# Allegro board Learn.brd (continued)
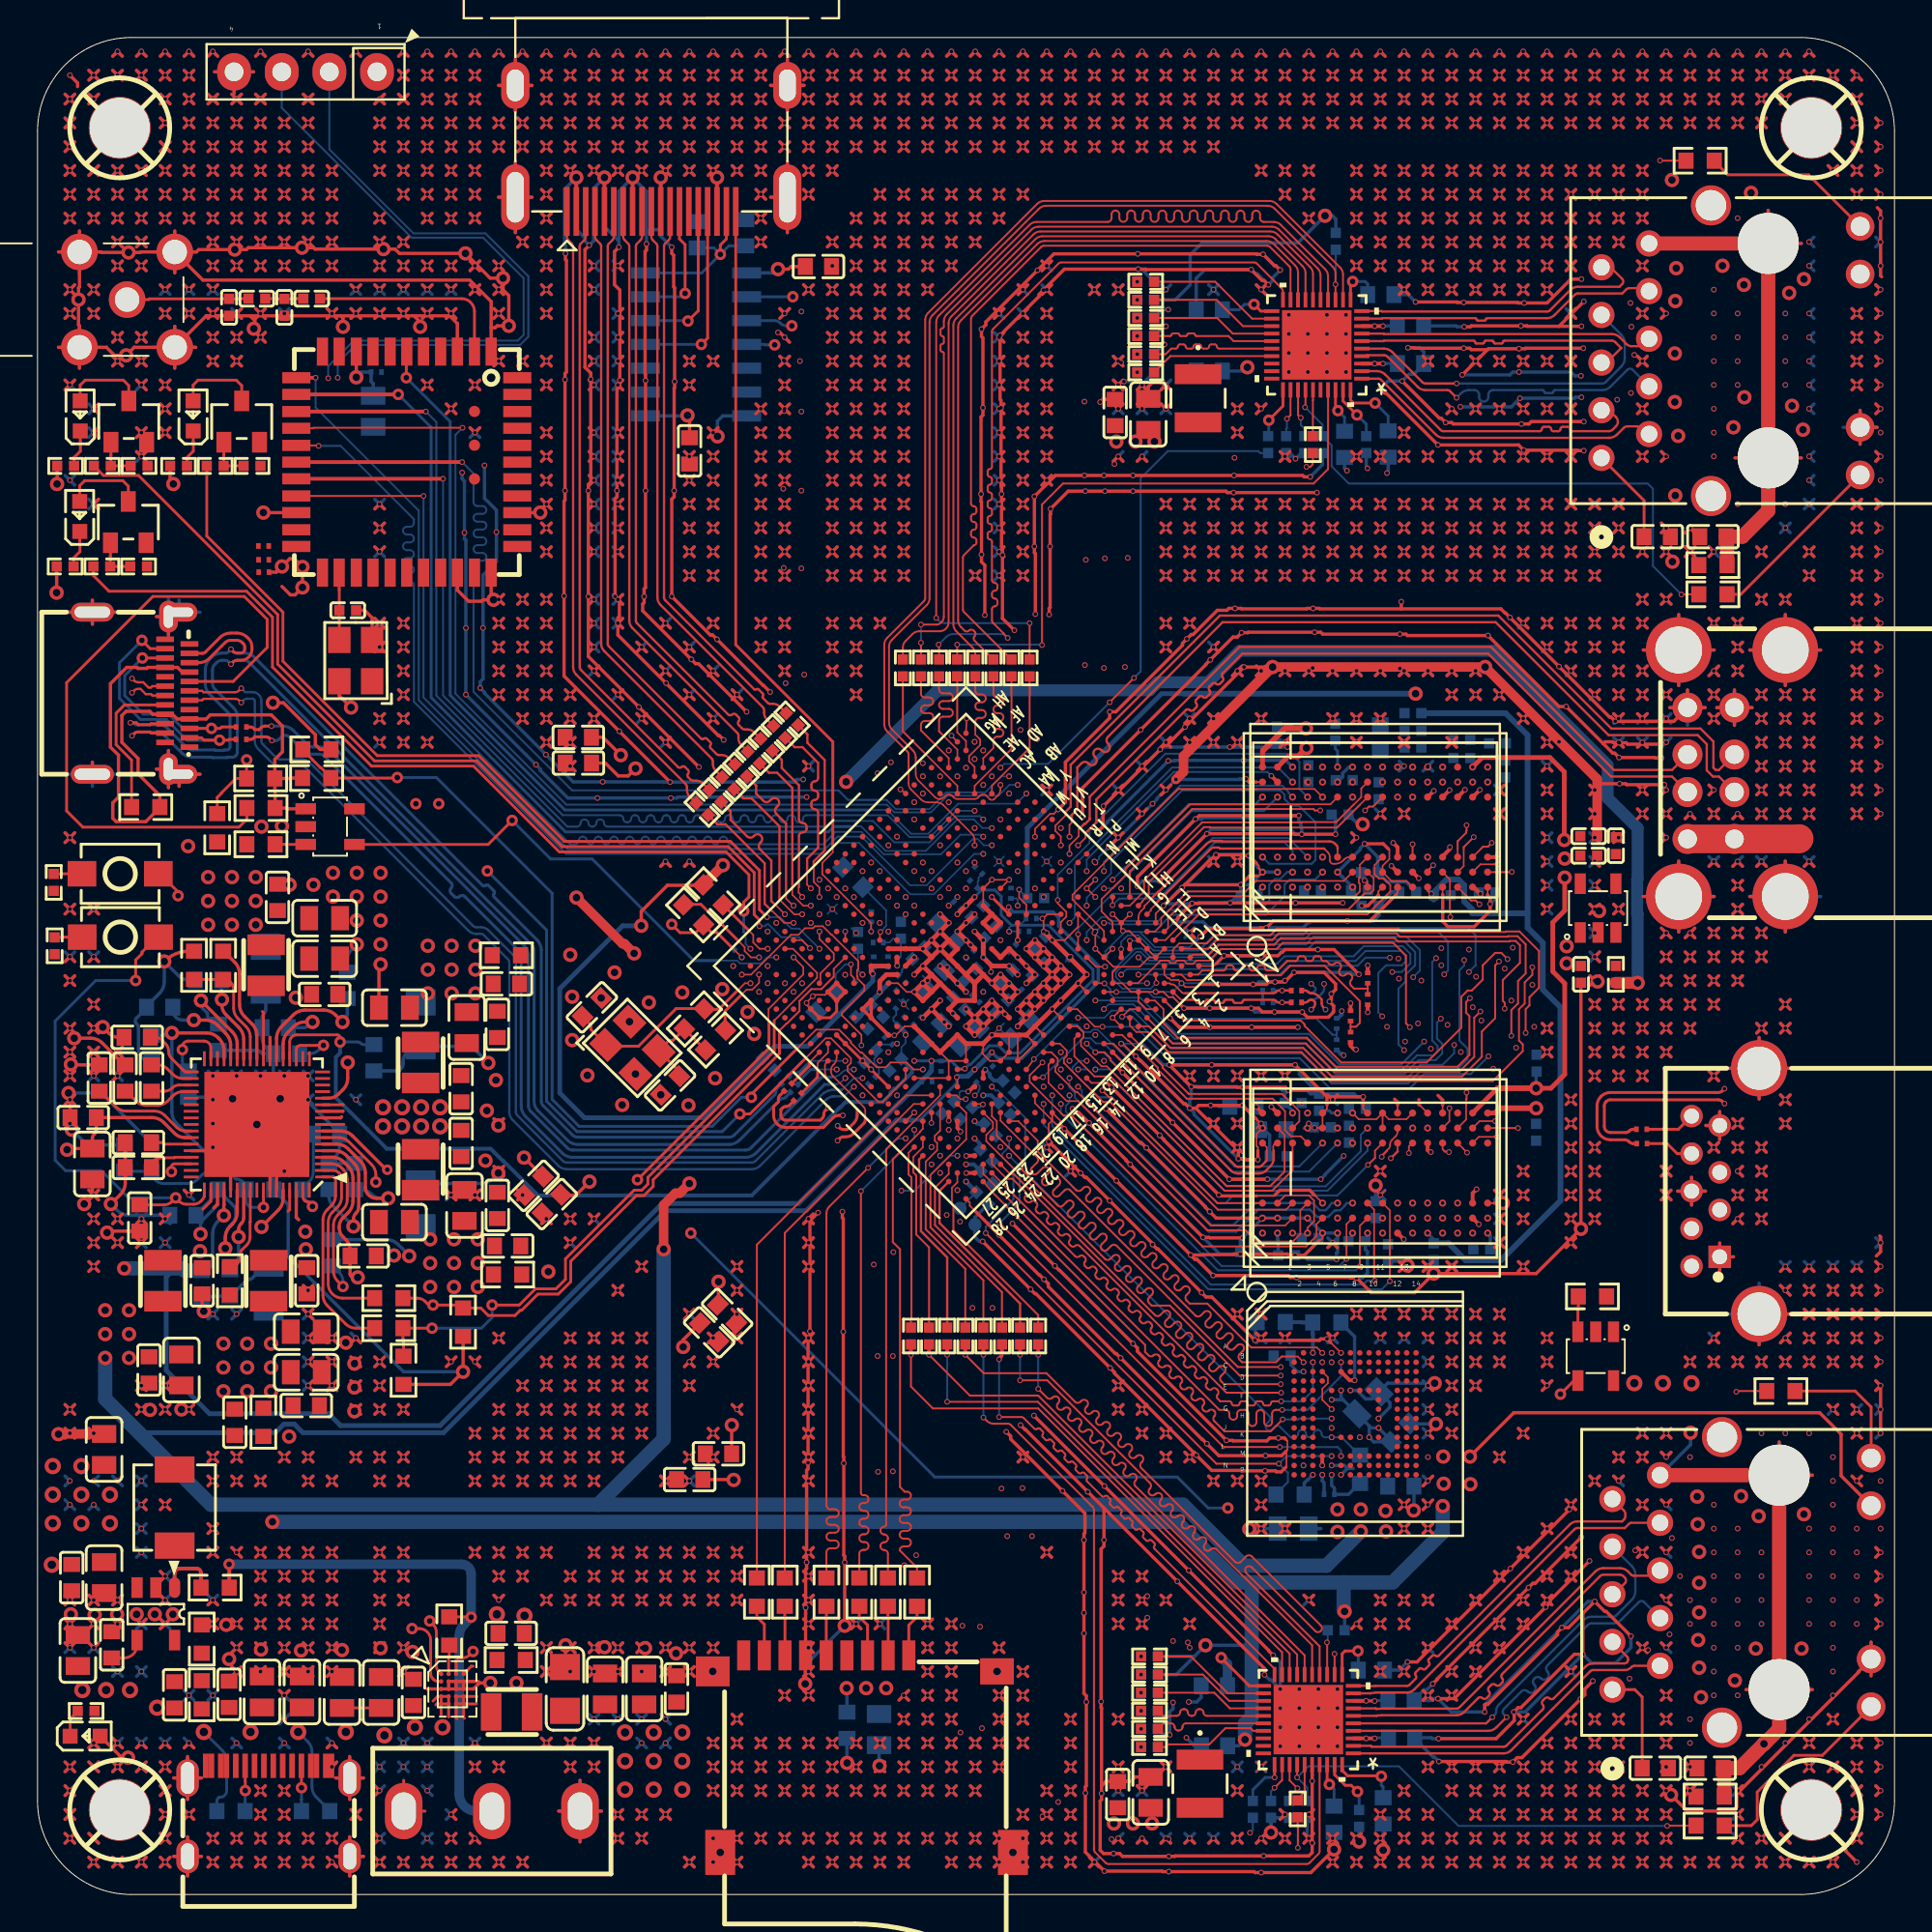
[diagram p0: board, top side]
## Routing (per net, layer and track width the routed paths; a pad name or vN(x,y) marks a point on that pad's centre or on a via; arc(x,y) is an arc through that point) (continued)
v1(43.63,14.42) ; v1(43.63,14.42) 43.89,14.17 ; v1(43.63,14.42) 43.89,14.68 ; v1(43.63,14.42) 43.38,14.68 ; v1(85.54,58.87) 85.8,58.62 ; v1(85.54,58.87) 85.8,59.13 ; v1(85.54,58.87) 85.29,59.13 ; v1(85.54,58.87) 85.29,58.62 ; v1(4.26,88.08) 4.52,87.83 ; v1(4.26,88.08) 4.01,88.34 ; v1(4.26,88.08) 4.01,87.83 ; v1(4.26,88.08) 4.52,88.34 ; 86.56,5.79 v1(86.81,5.53) ; v1(86.81,5.53) 86.56,5.28 ; v1(86.81,5.53) 87.07,5.28 ; v1(86.81,5.53) 87.07,5.79 ; 73.86,64.97 v1(74.11,65.22) ; v1(74.11,65.22) 74.37,64.97 ; v1(74.11,65.22) 73.86,65.48 ; v1(74.11,65.22) 74.37,65.48 ; 24.33,94.69 v1(24.58,94.43) ; v1(24.58,94.43) 24.84,94.69 ; v1(24.58,94.43) 24.84,94.18 ; v1(24.58,94.43) 24.33,94.18 ; 25.6,27.38 v1(25.85,27.12) ; v1(25.85,27.12) 26.11,26.87 ; v1(25.85,27.12) 25.6,26.87 ; v1(25.85,27.12) 26.11,27.38 ; v1(63.95,22.04) 64.21,21.79 ; v1(63.95,22.04) 63.7,22.3 ; v1(63.95,22.04) 63.7,21.79 ; v1(63.95,22.04) 64.21,22.3 ; 85.29,21.03 v1(85.54,20.77) ; v1(85.54,20.77) 85.8,21.03 ; v1(85.54,20.77) 85.29,20.52 ; v1(85.54,20.77) 85.8,20.52 ; 97.99,26.87 v1(98.24,27.12) ; v1(98.24,27.12) 98.5,27.38 ; v1(98.24,27.12) 97.99,27.38 ; v1(98.24,27.12) 98.5,26.87 ; 75.13,29.41 v1(75.38,29.66) ; v1(75.38,29.66) 75.13,29.92 ; v1(75.38,29.66) 75.64,29.92 ; v1(75.38,29.66) 75.64,29.41 ; v1(44.9,88.08) 45.16,87.83 ; v1(44.9,88.08) 44.65,87.83 ; v1(44.9,88.08) 45.16,88.34 ; v1(44.9,88.08) 44.65,88.34 ; v1(57.6,6.8) 57.86,7.06 ; v1(57.6,6.8) 57.35,6.55 ; v1(57.6,6.8) 57.86,6.55 ; v1(57.6,6.8) 57.35,7.06 ; v1(91.89,2.99) 92.15,3.25 ; v1(91.89,2.99) 92.15,2.74 ; v1(91.89,2.99) 91.64,2.74 ; v1(91.89,2.99) 91.64,3.25 ; v1(81.73,8.07) 81.99,8.33 ; v1(81.73,8.07) 81.99,7.82 ; v1(81.73,8.07) 81.48,8.33 ; v1(81.73,8.07) 81.48,7.82 ; v1(49.98,90.62) 50.24,90.88 ; v1(49.98,90.62) 49.73,90.88 ; v1(49.98,90.62) 49.73,90.37 ; v1(49.98,90.62) 50.24,90.37 ; v1(61.41,72.84) 61.67,72.59 ; v1(61.41,72.84) 61.67,73.1 ; v1(61.41,72.84) 61.16,72.59 ; v1(61.41,72.84) 61.16,73.1 ; v1(29.66,80.46) 29.92,80.21 ; v1(29.66,80.46) 29.41,80.72 ; v1(29.66,80.46) 29.41,80.21 ; v1(29.66,80.46) 29.92,80.72 ; 84.02,95.45 v1(84.27,95.7) ; v1(84.27,95.7) 84.02,95.96 ; v1(84.27,95.7) 84.53,95.96 ; v1(84.27,95.7) 84.53,95.45 ; 29.41,94.18 v1(29.66,94.43) ; v1(29.66,94.43) 29.41,94.69 ; v1(29.66,94.43) 29.92,94.69 ; v1(29.66,94.43) 29.92,94.18 ; 44.65,95.96 v1(44.9,95.7) ; v1(44.9,95.7) 44.65,95.45 ; v1(44.9,95.7) 45.16,95.96 ; v1(44.9,95.7) 45.16,95.45 ; 52.27,77.67 v1(52.52,77.92) ; v1(52.52,77.92) 52.78,77.67 ; v1(52.52,77.92) 52.27,78.18 ; v1(52.52,77.92) 52.78,78.18 ; 92.91,46.43 v1(93.16,46.17) ; v1(93.16,46.17) 92.91,45.92 ; v1(93.16,46.17) 93.42,45.92 ; v1(93.16,46.17) 93.42,46.43 ; v1(63.95,39.82) 64.21,39.57 ; v1(63.95,39.82) 63.7,39.57 ; v1(63.95,39.82) 63.7,40.08 ; v1(63.95,39.82) 64.21,40.08 ; 66.24,61.67 v1(66.49,61.41) ; v1(66.49,61.41) 66.24,61.16 ; v1(66.49,61.41) 66.75,61.16 ; v1(66.49,61.41) 66.75,61.67 ; v1(70.3,14.42) 70.56,14.17 ; v1(70.3,14.42) 70.05,14.17 ; v1(70.3,14.42) 70.56,14.68 ; v1(81.73,84.27) 81.99,84.53 ; v1(81.73,84.27) 81.99,84.02 ; v1(81.73,84.27) 81.48,84.53 ; v1(81.73,84.27) 81.48,84.02 ; v1(56.33,95.7) 56.59,95.96 ; v1(56.33,95.7) 56.59,95.45 ; v1(56.33,95.7) 56.08,95.45 ; v1(56.33,95.7) 56.08,95.96 ; v1(75.38,63.95) 75.64,64.21 ; v1(75.38,63.95) 75.13,63.7 ; v1(75.38,63.95) 75.64,63.7 ; v1(75.38,63.95) 75.13,64.21 ; v1(34.74,95.7) 35,95.96 ; v1(34.74,95.7) 34.49,95.96 ; v1(34.74,95.7) 34.49,95.45 ; v1(34.74,95.7) 35,95.45 ; v1(29.66,85.54) 29.92,85.29 ; v1(29.66,85.54) 29.41,85.29 ; v1(29.66,85.54) 29.92,85.8 ; v1(29.66,85.54) 29.41,85.8 ; 43.38,81.48 v1(43.63,81.73) ; v1(43.63,81.73) 43.89,81.48 ; v1(43.63,81.73) 43.89,81.99 ; v1(43.63,81.73) 43.38,81.99 ; v1(28.39,96.97) 28.65,97.23 ; v1(28.39,96.97) 28.65,96.72 ; v1(28.39,96.97) 28.14,97.23 ; v1(28.39,96.97) 28.14,96.72 ; v1(11.88,18.23) 12.14,17.98 ; v1(11.88,18.23) 12.14,18.49 ; v1(11.88,18.23) 11.63,17.98 ; v1(11.88,18.23) 11.63,18.49 ; 25.6,37.03 v1(25.85,37.28) ; v1(25.85,37.28) 25.6,37.54 ; v1(25.85,37.28) 26.11,37.54 ; v1(25.85,37.28) 26.11,37.03 ; 20.52,61.16 v1(20.77,61.41) ; v1(20.77,61.41) 21.03,61.16 ; v1(20.77,61.41) 20.52,61.67 ; v1(20.77,61.41) 21.03,61.67 ; 28.14,60.4 v1(28.39,60.14) ; v1(28.39,60.14) 28.14,59.89 ; v1(28.39,60.14) 28.65,59.89 ; v1(28.39,60.14) 28.65,60.4 ; v1(72.84,11.88) 73.1,11.63 ; v1(72.84,11.88) 72.59,11.63 ; v1(72.84,11.88) 73.1,12.14 ; v1(72.84,11.88) 72.59,12.14 ; 51,13.41 v1(51.25,13.15) ; v1(51.25,13.15) 51.51,12.9 ; v1(51.25,13.15) 51,12.9 ; v1(51.25,13.15) 51.51,13.41 ; 85.29,78.94 v1(85.54,79.19) ; v1(85.54,79.19) 85.8,79.45 ; v1(85.54,79.19) 85.29,79.45 ; v1(85.54,79.19) 85.8,78.94 ; v1(29.66,29.66) 29.92,29.41 ; v1(29.66,29.66) 29.41,29.92 ; v1(29.66,29.66) 29.92,29.92 ; v1(29.66,29.66) 29.41,29.41 ; U19.11 87.48,55.09 ; U19.11 87.48,51.31 ; U19.11 89.37,53.2 ; U19.11 85.59,53.2 ; 14.17,21.79 v1(14.42,22.04) ; v1(14.42,22.04) 14.17,22.3 ; v1(14.42,22.04) 14.68,22.3 ; v1(14.42,22.04) 14.68,21.79 ; v1(28.39,25.85) 28.65,26.11 ; v1(28.39,25.85) 28.14,26.11 ; v1(28.39,25.85) 28.65,25.6 ; v1(28.39,25.85) 28.14,25.6 ; v1(47.44,98.24) 47.7,97.99 ; v1(47.44,98.24) 47.7,98.5 ; v1(47.44,98.24) 47.19,97.99 ; v1(47.44,98.24) 47.19,98.5 ; 64.97,72.59 v1(65.22,72.84) ; v1(65.22,72.84) 64.97,73.1 ; v1(65.22,72.84) 65.48,72.59 ; v1(65.22,72.84) 65.48,73.1 ; 15.44,6.55 v1(15.69,6.8) ; v1(15.69,6.8) 15.44,7.06 ; v1(15.69,6.8) 15.95,7.06 ; 87.83,57.86 v1(88.08,57.6) ; v1(88.08,57.6) 88.34,57.35 ; v1(88.08,57.6) 88.34,57.86 ; v1(88.08,57.6) 87.83,57.35 ; 77.67,85.29 v1(77.92,85.54) ; v1(77.92,85.54) 78.18,85.29 ; v1(77.92,85.54) 77.67,85.8 ; v1(77.92,85.54) 78.18,85.8 ; v1(24.58,22.04) 24.84,21.79 ; v1(24.58,22.04) 24.33,21.79 ; v1(24.58,22.04) 24.33,22.3 ; v1(24.58,22.04) 24.84,22.3 ; v1(74.11,94.43) 74.37,94.18 ; v1(74.11,94.43) 73.86,94.18 ; v1(74.11,94.43) 74.37,94.69 ; v1(74.11,94.43) 73.86,94.69 ; 57.35,56.08 v1(57.6,56.33) ; v1(57.6,56.33) 57.35,56.59 ; v1(57.6,56.33) 57.86,56.59 ; v1(57.6,56.33) 57.86,56.08 ; 47.19,93.42 v1(47.44,93.16) ; v1(47.44,93.16) 47.7,92.91 ; v1(47.44,93.16) 47.19,92.91 ; v1(47.44,93.16) 47.7,93.42 ; 19.25,7.82 v1(19.5,8.07) ; v1(19.5,8.07) 19.76,7.82 ; v1(19.5,8.07) 19.25,8.33 ; v1(19.5,8.07) 19.76,8.33 ; 38.3,72.59 v1(38.55,72.84) ; v1(38.55,72.84) 38.81,73.1 ; v1(38.55,72.84) 38.3,73.1 ; v1(38.55,72.84) 38.81,72.59 ; 30.68,15.95 v1(30.93,15.69) ; v1(30.93,15.69) 31.19,15.95 ; v1(30.93,15.69) 31.19,15.44 ; v1(30.93,15.69) 30.68,15.44 ; v1(42.36,77.92) 42.62,78.18 ; v1(42.36,77.92) 42.62,77.67 ; v1(42.36,77.92) 42.11,78.18 ; v1(42.36,77.92) 42.11,77.67 ; 26.87,85.8 v1(27.12,85.54) ; v1(27.12,85.54) 26.87,85.29 ; v1(27.12,85.54) 27.38,85.8 ; v1(27.12,85.54) 27.38,85.29 ; 9.09,43.89 v1(9.34,43.63) ; v1(9.34,43.63) 9.09,43.38 ; v1(9.34,43.63) 9.6,43.89 ; v1(9.34,43.63) 9.6,43.38 ; v1(49.98,94.43) 50.24,94.69 ; v1(49.98,94.43) 49.73,94.69 ; v1(49.98,94.43) 50.24,94.18 ; v1(49.98,94.43) 49.73,94.18 ; v1(95.7,29.66) 95.96,29.92 ; v1(95.7,29.66) 95.96,29.41 ; v1(95.7,29.66) 95.45,29.92 ; v1(95.7,29.66) 95.45,29.41 ; v1(85.54,84.27) 85.8,84.02 ; v1(85.54,84.27) 85.8,84.53 ; v1(85.54,84.27) 85.29,84.53 ; v1(85.54,84.27) 85.29,84.02 ; 62.43,95.96 v1(62.68,95.7) ; v1(62.68,95.7) 62.94,95.96 ; v1(62.68,95.7) 62.43,95.45 ; v1(62.68,95.7) 62.94,95.45 ; v1(81.73,9.34) 81.99,9.6 ; v1(81.73,9.34) 81.48,9.6 ; v1(81.73,9.34) 81.99,9.09 ; v1(81.73,9.34) 81.48,9.09 ; v1(60.14,67.76) 60.4,68.02 ; v1(60.14,67.76) 60.4,67.51 ; v1(60.14,67.76) 59.89,68.02 ; v1(60.14,67.76) 59.89,67.51 ; v1(57.6,93.16) 57.86,93.42 ; v1(57.6,93.16) 57.86,92.91 ; v1(57.6,93.16) 57.35,93.42 ; v1(57.6,93.16) 57.35,92.91 ; 26.87,65.48 v1(27.12,65.22) ; v1(27.12,65.22) 27.38,65.48 ; v1(27.12,65.22) 26.87,64.97 ; v1(27.12,65.22) 27.38,64.97 ; 75.13,79.45 v1(75.38,79.19) ; v1(75.38,79.19) 75.13,78.94 ; v1(75.38,79.19) 75.64,78.94 ; 72.59,2.74 v1(72.84,2.99) ; v1(72.84,2.99) 73.1,2.74 ; v1(72.84,2.99) 72.59,3.25 ; v1(72.84,2.99) 73.1,3.25 ; 78.94,4.01 v1(79.19,4.26) ; v1(79.19,4.26) 79.45,4.01 ; v1(79.19,4.26) 79.45,4.52 ; v1(79.19,4.26) 78.94,4.52 ; 35.76,7.06 v1(36.01,6.8) ; v1(36.01,6.8) 36.27,7.06 ; v1(36.01,6.8) 36.27,6.55 ; v1(36.01,6.8) 35.76,6.55 ; v1(4.26,91.89) 4.52,92.15 ; v1(4.26,91.89) 4.52,91.64 ; v1(4.26,91.89) 4.01,92.15 ; v1(4.26,91.89) 4.01,91.64 ; 97.99,58.62 v1(98.24,58.87) ; v1(98.24,58.87) 97.99,59.13 ; v1(98.24,58.87) 98.5,59.13 ; v1(98.24,58.87) 98.5,58.62 ; 28.14,35 v1(28.39,34.74) ; v1(28.39,34.74) 28.65,34.49 ; v1(28.39,34.74) 28.14,34.49 ; v1(28.39,34.74) 28.65,35 ; v1(44.9,71.57) 45.16,71.32 ; v1(44.9,71.57) 45.16,71.83 ; v1(44.9,71.57) 44.65,71.32 ; v1(44.9,71.57) 44.65,71.83 ; v1(9.34,95.7) 9.6,95.96 ; v1(9.34,95.7) 9.09,95.96 ; v1(9.34,95.7) 9.6,95.45 ; v1(9.34,95.7) 9.09,95.45 ; v1(23.31,90.62) 23.57,90.88 ; v1(23.31,90.62) 23.06,90.37 ; v1(23.31,90.62) 23.06,90.88 ; v1(23.31,90.62) 23.57,90.37 ; 59.89,94.18 v1(60.14,94.43) ; v1(60.14,94.43) 59.89,94.69 ; v1(60.14,94.43) 60.4,94.69 ; v1(60.14,94.43) 60.4,94.18 ; v1(10.61,83) 10.87,83.26 ; v1(10.61,83) 10.36,83.26 ; v1(10.61,83) 10.36,82.75 ; v1(10.61,83) 10.87,82.75 ; v1(84.27,89.35) 84.53,89.1 ; v1(84.27,89.35) 84.53,89.61 ; v1(84.27,89.35) 84.02,89.1 ; v1(84.27,89.35) 84.02,89.61 ; v1(1.72,13.15) 1.98,12.9 ; v1(1.72,13.15) 1.98,13.41 ; v1(1.72,13.15) 1.47,13.41 ; v1(1.72,13.15) 1.47,12.9 ; 14.17,15.95 v1(14.42,15.69) ; v1(14.42,15.69) 14.68,15.95 ; v1(14.42,15.69) 14.17,15.44 ; v1(14.42,15.69) 14.68,15.44 ; v1(9.34,2.99) 9.6,2.74 ; v1(9.34,2.99) 9.6,3.25 ; v1(9.34,2.99) 9.09,2.74 ; v1(9.34,2.99) 9.09,3.25 ; v1(77.92,76.65) 78.18,76.91 ; v1(77.92,76.65) 77.67,76.91 ; v1(77.92,76.65) 77.67,76.4 ; v1(77.92,76.65) 78.18,76.4 ; v1(34.74,96.97) 35,96.72 ; v1(34.74,96.97) 34.49,97.23 ; v1(34.74,96.97) 34.49,96.72 ; v1(34.74,96.97) 35,97.23 ; v1(28.39,23.31) 28.65,23.06 ; v1(28.39,23.31) 28.65,23.57 ; v1(28.39,23.31) 28.14,23.57 ; v1(28.39,23.31) 28.14,23.06 ; v1(94.43,33.47) 94.69,33.22 ; v1(94.43,33.47) 94.18,33.73 ; v1(94.43,33.47) 94.18,33.22 ; v1(94.43,33.47) 94.69,33.73 ; 85.29,45.92 v1(85.54,46.17) ; v1(85.54,46.17) 85.8,46.43 ; v1(85.54,46.17) 85.29,46.43 ; v1(85.54,46.17) 85.8,45.92 ; v1(55.06,2.99) 55.32,2.74 ; v1(55.06,2.99) 54.81,3.25 ; v1(55.06,2.99) 54.81,2.74 ; v1(55.06,2.99) 55.32,3.25 ; v1(91.89,46.17) 92.15,45.92 ; v1(91.89,46.17) 91.64,46.43 ; v1(91.89,46.17) 92.15,46.43 ; v1(91.89,46.17) 91.64,45.92 ; 19.25,11.63 v1(19.5,11.88) ; v1(19.5,11.88) 19.25,12.14 ; v1(19.5,11.88) 19.76,12.14 ; v1(19.5,11.88) 19.76,11.63 ; 85.29,92.15 v1(85.54,91.89) ; v1(85.54,91.89) 85.8,91.64 ; v1(85.54,91.89) 85.29,91.64 ; v1(85.54,91.89) 85.8,92.15 ; 92.91,61.16 v1(93.16,61.41) ; v1(93.16,61.41) 93.42,61.67 ; v1(93.16,61.41) 92.91,61.67 ; v1(93.16,61.41) 93.42,61.16 ; v1(65.22,62.68) 65.48,62.43 ; v1(65.22,62.68) 64.97,62.43 ; v1(65.22,62.68) 65.48,62.94 ; v1(65.22,62.68) 64.97,62.94 ; v1(96.97,74.11) 97.23,74.37 ; v1(96.97,74.11) 97.23,73.86 ; v1(96.97,74.11) 96.72,73.86 ; v1(96.97,74.11) 96.72,74.37 ; v1(95.7,96.97) 95.96,96.72 ; v1(95.7,96.97) 95.96,97.23 ; v1(95.7,96.97) 95.45,96.72 ; v1(95.7,96.97) 95.45,97.23 ; 86.56,98.5 v1(86.81,98.24) ; v1(86.81,98.24) 87.07,98.5 ; v1(86.81,98.24) 87.07,97.99 ; v1(86.81,98.24) 86.56,97.99 ; v1(83,67.76) 83.26,67.51 ; v1(83,67.76) 82.75,68.02 ; v1(83,67.76) 82.75,67.51 ; v1(83,67.76) 83.26,68.02 ; 76.4,88.34 v1(76.65,88.08) ; v1(76.65,88.08) 76.4,87.83 ; v1(76.65,88.08) 76.91,87.83 ; v1(76.65,88.08) 76.91,88.34 ; v1(36.01,15.69) 36.27,15.44 ; v1(36.01,15.69) 35.76,15.95 ; v1(36.01,15.69) 35.76,15.44 ; v1(36.01,15.69) 36.27,15.95 ; 19.25,66.75 v1(19.5,66.49) ; v1(19.5,66.49) 19.76,66.24 ; v1(19.5,66.49) 19.25,66.24 ; v1(19.5,66.49) 19.76,66.75 ; v1(93.16,41.09) 93.42,40.84 ; v1(93.16,41.09) 92.91,40.84 ; v1(93.16,41.09) 92.91,41.35 ; v1(93.16,41.09) 93.42,41.35 ; 2.74,7.06 v1(2.99,6.8) ; v1(2.99,6.8) 2.74,6.55 ; v1(2.99,6.8) 3.25,7.06 ; v1(2.99,6.8) 3.25,6.55 ; v1(86.81,37.28) 87.07,37.03 ; v1(86.81,37.28) 86.56,37.54 ; v1(86.81,37.28) 87.07,37.54 ; v1(86.81,37.28) 86.56,37.03 ; 86.56,84.02 v1(86.81,84.27) 86.56,84.53 ; 24.33,6.55 v1(24.58,6.8) ; v1(24.58,6.8) 24.33,7.06 ; v1(24.58,6.8) 24.84,7.06 ; v1(24.58,6.8) 24.84,6.55 ; 97.99,81.48 v1(98.24,81.73) ; v1(98.24,81.73) 98.5,81.99 ; v1(98.24,81.73) 98.5,81.48 ; v1(98.24,81.73) 97.99,81.99 ; 5.28,87.83 v1(5.53,88.08) ; v1(5.53,88.08) 5.28,88.34 ; v1(5.53,88.08) 5.79,88.34 ; v1(5.53,88.08) 5.79,87.83 ; v1(43.63,88.08) 43.89,88.34 ; v1(43.63,88.08) 43.38,87.83 ; v1(43.63,88.08) 43.38,88.34 ; v1(43.63,88.08) 43.89,87.83 ; v1(39.82,10.61) 40.08,10.36 ; v1(39.82,10.61) 40.08,10.87 ; v1(39.82,10.61) 39.57,10.36 ; v1(39.82,10.61) 39.57,10.87 ; v1(18.23,66.49) 18.49,66.75 ; v1(18.23,66.49) 18.49,66.24 ; v1(18.23,66.49) 17.98,66.75 ; v1(18.23,66.49) 17.98,66.24 ; v1(8.07,93.16) 8.33,93.42 ; v1(8.07,93.16) 8.33,92.91 ; v1(8.07,93.16) 7.82,92.91 ; v1(8.07,93.16) 7.82,93.42 ; v1(91.89,49.98) 92.15,49.73 ; v1(91.89,49.98) 91.64,50.24 ; v1(91.89,49.98) 92.15,50.24 ; v1(91.89,49.98) 91.64,49.73 ; 91.64,94.69 v1(91.89,94.43) ; v1(91.89,94.43) 92.15,94.18 ; v1(91.89,94.43) 91.64,94.18 ; v1(91.89,94.43) 92.15,94.69 ; 5.28,97.99 v1(5.53,98.24) ; v1(5.53,98.24) 5.79,98.5 ; v1(5.53,98.24) 5.28,98.5 ; v1(5.53,98.24) 5.79,97.99 ; 73.86,22.3 v1(74.11,22.04) ; v1(74.11,22.04) 74.37,22.3 ; v1(74.11,22.04) 73.86,21.79 ; v1(1.72,95.7) 1.98,95.45 ; v1(1.72,95.7) 1.98,95.96 ; v1(1.72,95.7) 1.47,95.96 ; v1(1.72,95.7) 1.47,95.45 ; 45.92,75.13 v1(46.17,75.38) ; v1(46.17,75.38) 46.43,75.64 ; v1(46.17,75.38) 45.92,75.64 ; v1(46.17,75.38) 46.43,75.13 ; 26.87,81.99 v1(27.12,81.73) ; v1(27.12,81.73) 26.87,81.48 ; v1(27.12,81.73) 27.38,81.48 ; v1(27.12,81.73) 27.38,81.99 ; 90.37,38.3 v1(90.62,38.55) ; v1(90.62,38.55) 90.37,38.81 ; v1(90.62,38.55) 90.88,38.81 ; v1(90.62,38.55) 90.88,38.3 ; v1(6.8,14.42) 7.06,14.68 ; v1(6.8,14.42) 7.06,14.17 ; v1(6.8,14.42) 6.55,14.68 ; v1(6.8,14.42) 6.55,14.17 ; 52.27,71.32 v1(52.52,71.57) ; v1(52.52,71.57) 52.27,71.83 ; v1(52.52,71.57) 52.78,71.83 ; v1(52.52,71.57) 52.78,71.32 ; 4.01,45.16 v1(4.26,44.9) ; v1(4.26,44.9) 4.01,44.65 ; v1(4.26,44.9) 4.52,44.65 ; v1(4.26,44.9) 4.52,45.16 ; 92.91,42.11 v1(93.16,42.36) ; v1(93.16,42.36) 92.91,42.62 ; v1(93.16,42.36) 93.42,42.11 ; v1(93.16,42.36) 93.42,42.62 ; v1(63.95,96.97) 64.21,97.23 ; v1(63.95,96.97) 63.7,96.72 ; v1(63.95,96.97) 64.21,96.72 ; v1(63.95,96.97) 63.7,97.23 ; v1(98.24,66.49) 98.5,66.75 ; v1(98.24,66.49) 98.5,66.24 ; v1(98.24,66.49) 97.99,66.24 ; v1(98.24,66.49) 97.99,66.75 ; v1(13.15,89.35) 13.41,89.61 ; v1(13.15,89.35) 12.9,89.1 ; v1(13.15,89.35) 13.41,89.1 ; v1(13.15,89.35) 12.9,89.61 ; v1(67.76,71.57) 68.02,71.32 ; v1(67.76,71.57) 67.51,71.32 ; v1(67.76,71.57) 67.51,71.83 ; v1(67.76,71.57) 68.02,71.83 ; 5.28,20.52 v1(5.53,20.77) ; v1(5.53,20.77) 5.79,21.03 ; v1(5.53,20.77) 5.79,20.52 ; v1(5.53,20.77) 5.28,21.03 ; v1(29.66,23.31) 29.92,23.06 ; v1(29.66,23.31) 29.41,23.06 ; v1(29.66,23.31) 29.41,23.57 ; v1(29.66,23.31) 29.92,23.57 ; 86.56,71.83 v1(86.81,71.57) ; v1(86.81,71.57) 87.07,71.83 ; v1(86.81,71.57) 86.56,71.32 ; v1(86.81,71.57) 87.07,71.32 ; v1(53.79,85.54) 54.05,85.8 ; v1(53.79,85.54) 53.54,85.8 ; v1(53.79,85.54) 53.54,85.29 ; v1(53.79,85.54) 54.05,85.29 ; 81.48,73.86 v1(81.73,74.11) ; v1(81.73,74.11) 81.99,74.37 ; v1(81.73,74.11) 81.99,73.86 ; v1(81.73,74.11) 81.48,74.37 ; 30.68,68.02 v1(30.93,67.76) ; v1(30.93,67.76) 31.19,68.02 ; v1(30.93,67.76) 30.68,67.51 ; v1(30.93,67.76) 31.19,67.51 ; 38.3,78.94 v1(38.55,79.19) ; v1(38.55,79.19) 38.3,79.45 ; v1(38.55,79.19) 38.81,79.45 ; v1(38.55,79.19) 38.81,78.94 ; 86.56,64.21 v1(86.81,63.95) ; v1(86.81,63.95) 86.56,63.7 ; v1(86.81,63.95) 87.07,64.21 ; v1(86.81,63.95) 87.07,63.7 ; v1(28.39,95.7) 28.65,95.96 ; v1(28.39,95.7) 28.65,95.45 ; v1(28.39,95.7) 28.14,95.96 ; v1(28.39,95.7) 28.14,95.45 ; 76.4,1.98 v1(76.65,1.72) ; v1(76.65,1.72) 76.4,1.47 ; v1(76.65,1.72) 76.91,1.47 ; v1(76.65,1.72) 76.91,1.98 ; v1(11.88,86.81) 12.14,86.56 ; v1(11.88,86.81) 11.63,86.56 ; v1(11.88,86.81) 12.14,87.07 ; v1(11.88,86.81) 11.63,87.07 ; v1(25.85,24.58) 26.11,24.84 ; v1(25.85,24.58) 25.6,24.33 ; v1(25.85,24.58) 25.6,24.84 ; v1(25.85,24.58) 26.11,24.33 ; 38.3,5.79 v1(38.55,5.53) ; v1(38.55,5.53) 38.81,5.79 ; v1(38.55,5.53) 38.3,5.28 ; v1(38.55,5.53) 38.81,5.28 ; 9.09,94.18 v1(9.34,94.43) ; v1(9.34,94.43) 9.09,94.69 ; v1(9.34,94.43) 9.6,94.18 ; v1(9.34,94.43) 9.6,94.69 ; 31.95,9.6 v1(32.2,9.34) ; v1(32.2,9.34) 32.46,9.6 ; v1(32.2,9.34) 31.95,9.09 ; 20.52,1.47 v1(20.77,1.72) ; v1(20.77,1.72) 21.03,1.47 ; v1(20.77,1.72) 21.03,1.98 ; v1(20.77,1.72) 20.52,1.98 ; 87.95,62.33 U19.4 ; U19.4 88.89,63.27 ; U19.4 87.95,64.21 ; U19.4 87.01,63.27 ; 28.14,15.44 v1(28.39,15.69) ; v1(28.39,15.69) 28.65,15.95 ; v1(28.39,15.69) 28.65,15.44 ; v1(28.39,15.69) 28.14,15.95 ; v1(30.93,80.46) 31.19,80.72 ; v1(30.93,80.46) 30.68,80.72 ; v1(30.93,80.46) 30.68,80.21 ; v1(30.93,80.46) 31.19,80.21 ; v1(27.12,93.16) 27.38,93.42 ; v1(27.12,93.16) 27.38,92.91 ; v1(27.12,93.16) 26.87,92.91 ; v1(27.12,93.16) 26.87,93.42 ; 73.86,73.86 v1(74.11,74.11) ; v1(74.11,74.11) 73.86,74.37 ; v1(74.11,74.11) 74.37,74.37 ; v1(74.11,74.11) 74.37,73.86 ; v1(22.04,86.81) 22.3,87.07 ; v1(22.04,86.81) 22.3,86.56 ; v1(22.04,86.81) 21.79,86.56 ; v1(22.04,86.81) 21.79,87.07 ; v1(79.19,96.97) 79.45,96.72 ; v1(79.19,96.97) 78.94,97.23 ; v1(79.19,96.97) 79.45,97.23 ; v1(79.19,96.97) 78.94,96.72 ; v1(11.88,1.72) 12.14,1.98 ; v1(11.88,1.72) 11.63,1.98 ; v1(11.88,1.72) 11.63,1.47 ; v1(11.88,1.72) 12.14,1.47 ; 71.32,12.14 v1(71.57,11.88) ; v1(71.57,11.88) 71.32,11.63 ; v1(71.57,11.88) 71.83,12.14 ; v1(71.57,11.88) 71.83,11.63 ; 96.72,26.11 v1(96.97,25.85) ; v1(96.97,25.85) 96.72,25.6 ; v1(96.97,25.85) 97.23,25.6 ; v1(96.97,25.85) 97.23,26.11 ; v1(19.5,91.89) 19.76,91.64 ; v1(19.5,91.89) 19.25,92.15 ; v1(19.5,91.89) 19.76,92.15 ; v1(19.5,91.89) 19.25,91.64 ; 84.02,98.5 v1(84.27,98.24) ; v1(84.27,98.24) 84.53,97.99 ; v1(84.27,98.24) 84.53,98.5 ; v1(84.27,98.24) 84.02,97.99 ; 40.84,27.38 v1(41.09,27.12) ; v1(41.09,27.12) 40.84,26.87 ; v1(41.09,27.12) 41.35,27.38 ; v1(41.09,27.12) 41.35,26.87 ; 88.34,72.59 v1(88.08,72.84) 87.83,72.59 ; v1(83,4.26) 83.26,4.52 ; v1(83,4.26) 82.75,4.52 ; v1(83,4.26) 83.26,4.01 ; v1(83,4.26) 82.75,4.01 ; 12.9,38.81 v1(13.15,38.55) ; v1(13.15,38.55) 12.9,38.3 ; v1(13.15,38.55) 13.41,38.81 ; v1(13.15,38.55) 13.41,38.3 ; 72.59,96.72 v1(72.84,96.97) ; v1(72.84,96.97) 73.1,96.72 ; v1(72.84,96.97) 73.1,97.23 ; v1(72.84,96.97) 72.59,97.23 ; v1(61.41,94.43) 61.67,94.69 ; v1(61.41,94.43) 61.16,94.69 ; v1(61.41,94.43) 61.16,94.18 ; v1(61.41,94.43) 61.67,94.18 ; 72.59,59.89 v1(72.84,60.14) 72.59,60.4 ; 51,79.45 v1(51.25,79.19) ; v1(51.25,79.19) 51.51,78.94 ; v1(51.25,79.19) 51.51,79.45 ; v1(51.25,79.19) 51,78.94 ; v1(46.17,9.34) 46.43,9.09 ; v1(46.17,9.34) 46.43,9.6 ; v1(46.17,9.34) 45.92,9.09 ; v1(46.17,9.34) 45.92,9.6 ; v1(22.04,90.62) 22.3,90.88 ; v1(22.04,90.62) 22.3,90.37 ; v1(22.04,90.62) 21.79,90.37 ; v1(22.04,90.62) 21.79,90.88 ; 59.89,96.72 v1(60.14,96.97) ; v1(60.14,96.97) 60.4,96.72 ; v1(60.14,96.97) 59.89,97.23 ; v1(60.14,96.97) 60.4,97.23 ; 15.9,6.21 U1.2 ; U1.2 17.38,6.21 ; U1.2 16.64,5.07 ; U1.2 16.64,7.35 ; v1(18.23,15.69) 18.49,15.95 ; v1(18.23,15.69) 17.98,15.44 ; v1(18.23,15.69) 18.49,15.44 ; v1(18.23,15.69) 17.98,15.95 ; v1(23.31,91.89) 23.57,91.64 ; v1(23.31,91.89) 23.57,92.15 ; v1(23.31,91.89) 23.06,91.64 ; v1(23.31,91.89) 23.06,92.15 ; 64.97,73.86 v1(65.22,74.11) ; v1(65.22,74.11) 65.48,73.86 ; v1(65.22,74.11) 65.48,74.37 ; v1(65.22,74.11) 64.97,74.37 ; 10.36,14.17 v1(10.61,14.42) ; v1(10.61,14.42) 10.36,14.68 ; v1(10.61,14.42) 10.87,14.68 ; v1(10.61,14.42) 10.87,14.17 ; v1(81.73,42.36) 81.99,42.62 ; v1(81.73,42.36) 81.48,42.62 ; v1(81.73,42.36) 81.48,42.11 ; v1(81.73,42.36) 81.99,42.11 ; v1(38.55,93.16) 38.81,92.91 ; v1(38.55,93.16) 38.3,92.91 ; v1(38.55,93.16) 38.81,93.42 ; v1(38.55,93.16) 38.3,93.42 ; 29.41,81.48 v1(29.66,81.73) ; v1(29.66,81.73) 29.92,81.48 ; v1(29.66,81.73) 29.41,81.99 ; v1(29.66,81.73) 29.92,81.99 ; 89.1,94.69 v1(89.35,94.43) ; v1(89.35,94.43) 89.61,94.69 ; v1(89.35,94.43) 89.1,94.18 ; v1(89.35,94.43) 89.61,94.18 ; 52.27,94.69 